# Altium PCB 测试样板PCB.PcbDoc (part 2 of 5)
Units mil, origin at the board's own origin, x right, y up, seen from the top; angles counter-clockwise.
Board outline 3248.03 x 2802.03 mil, 2 copper layers (Top Layer, Bottom Layer); 76 components, 64 nets, 349 pads, 97 vias.
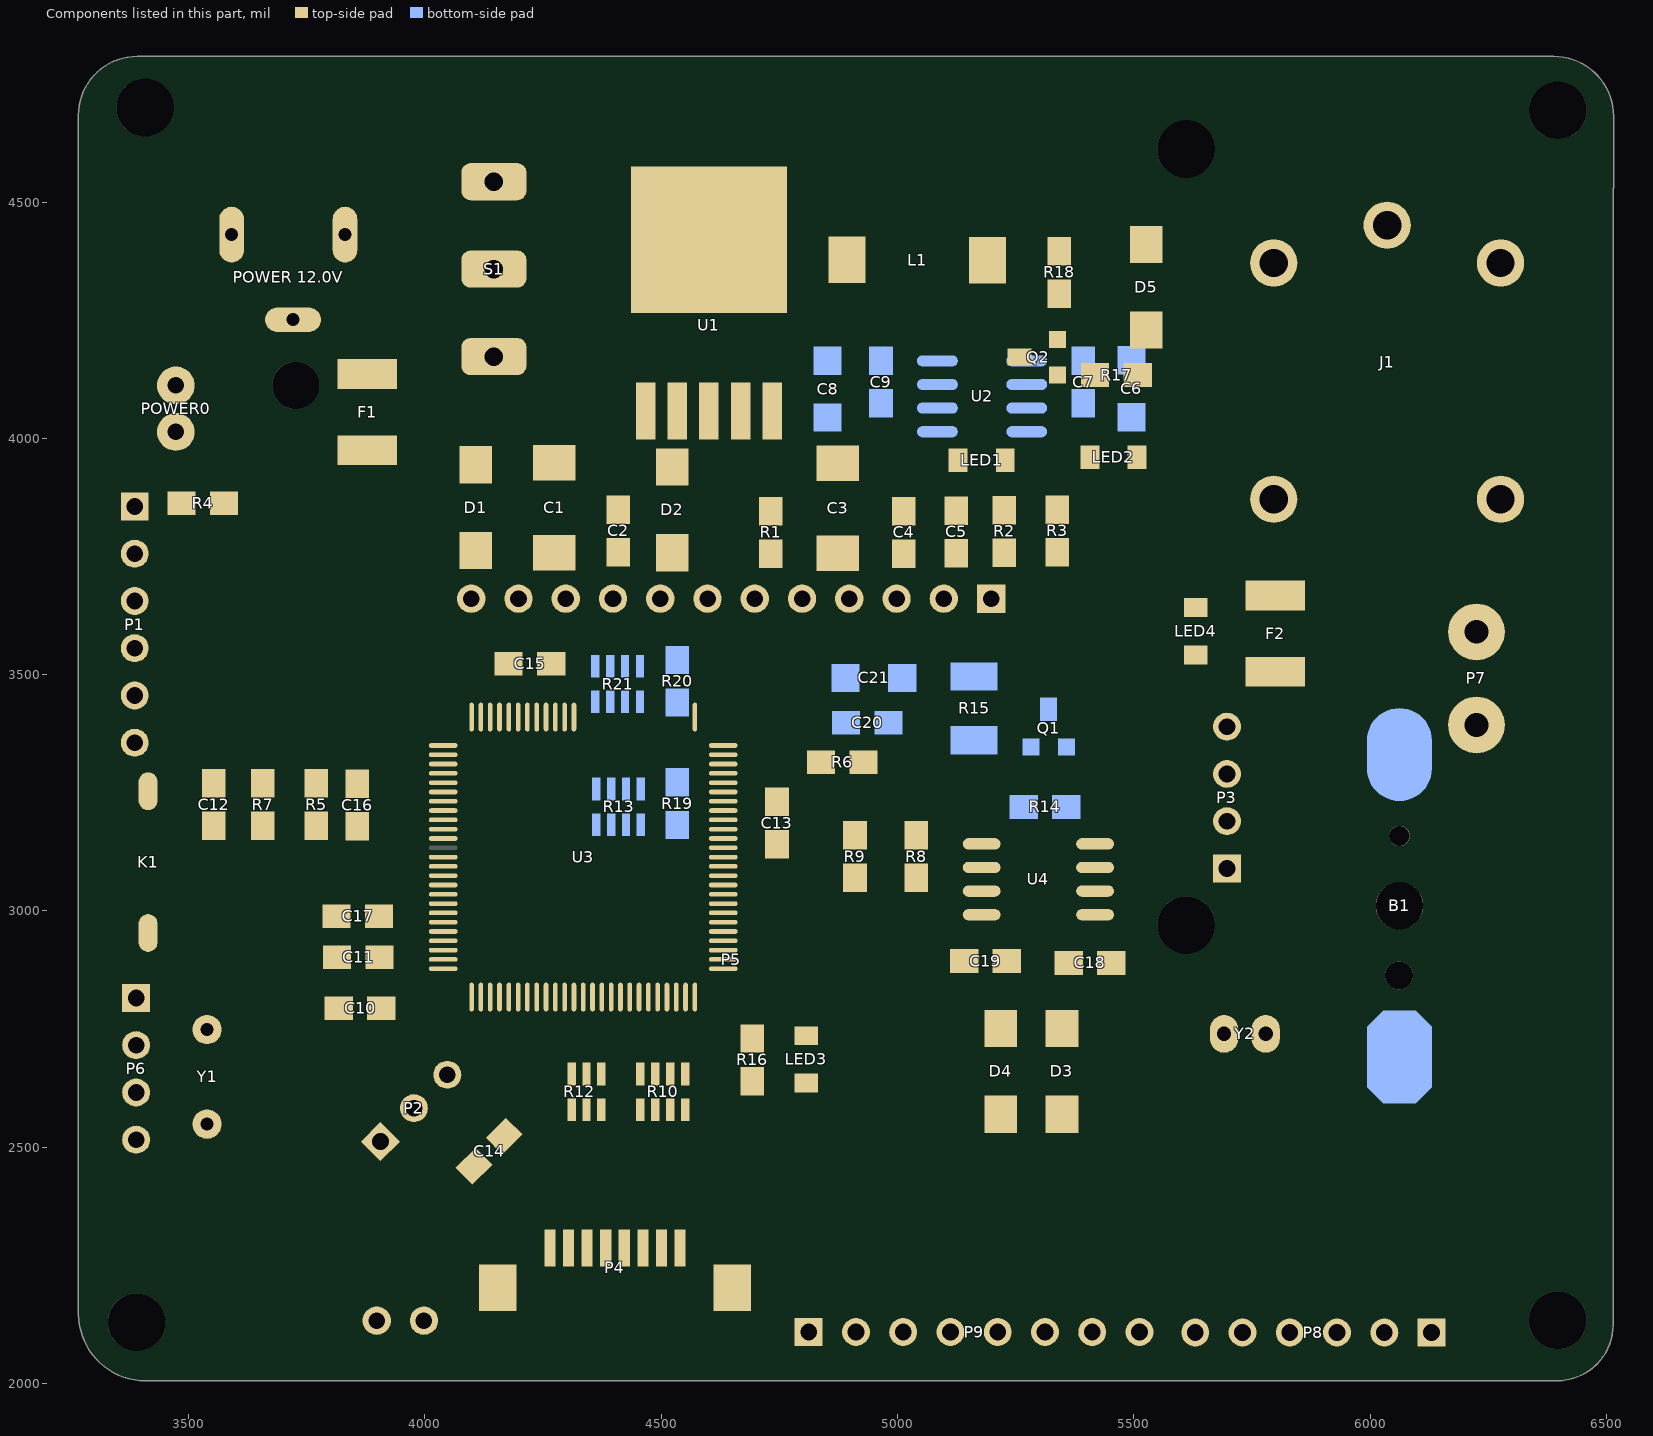
[diagram p2: the components of this part, seen from the top]

## Via types
v1: diameter 25, hole 13, Top Layer to Bottom Layer, 50 vias
v2: diameter 50, hole 28, Top Layer to Bottom Layer, 46 vias
v3: diameter 25, hole 3, Top Layer to Bottom Layer, 1 vias

## Nets (pads, with @x,y where several pads share a name; then routed paths per layer and width w, separated by ;. In a path a pad name is that pad's centre, name@x,y a point inside that pad or via, vN(x,y) a via of type N, cw(c..) or ccw(c..) an arc to the next point about the centre after c; other vN are vias at no path point) (continued)
copper on no net: (continued)
  Top Layer w0.8: 5853,2403.4 6033.8,2403.4 ; 5853.8,2404.2 6033,2404.2 ; 5854.6,2405 6032.2,2405 ; 5854.6,2405.8 6032.2,2405.8 ; 5855.4,2406.6 5859.4,2406.6 ; 5855.4,2407.4 5859.4,2407.4 ; 5856.2,2408.2 5860.2,2408.2 ; 5857,2409 5861,2409 ; 5857,2409.8 5861,2409.8 ; 5857,2673 5981,2673 ; 5857,2673.8 5981.8,2673.8 ; 5857.8,2410.6 5861.8,2410.6 ; 5857.8,2411.4 5861.8,2411.4 ; 5857.8,2671.4 5980.2,2671.4 ; 5857.8,2672.2 5975.4,2672.2 ; 5858.6,2412.2 5862.6,2412.2 ; 5858.6,2670.6 5862.6,2670.6 ; 5859.4,2413 5863.4,2413 ; 5859.4,2413.8 5863.4,2413.8 ; 5859.4,2669 5863.4,2669 ; 5859.4,2669.8 5862.6,2669.8 ; 5860.2,2414.6 5864.2,2414.6 ; 5860.2,2668.2 5863.4,2668.2 ; 5861,2415.4 5864.2,2415.4 ; 5861,2416.2 5865,2416.2 ; 5861,2666.6 5865,2666.6 ; 5861,2667.4 5864.2,2667.4 ; 5861.8,2417 5865.8,2417 ; 5861.8,2417.8 5865.8,2417.8 ; 5861.8,2665 5865.8,2665 ; 5861.8,2665.8 5865,2665.8 ; 5862.6,2418.6 5866.6,2418.6 ; 5862.6,2663.4 5866.6,2663.4 ; 5862.6,2664.2 5866.6,2664.2 ; 5863.4,2419.4 5866.6,2419.4 ; 5863.4,2420.2 5867.4,2420.2 ; 5863.4,2662.6 5867.4,2662.6 ; 5864.2,2421 5868.2,2421 ; 5864.2,2421.8 5868.2,2421.8 ; 5864.2,2661 5868.2,2661 ; 5864.2,2661.8 5867.4,2661.8 ; 5865,2422.6 5869,2422.6 ; 5865,2660.2 5869,2660.2 ; 5865.8,2423.4 5869.8,2423.4 ; 5865.8,2424.2 5869.8,2424.2 ; 5865.8,2658.6 5869.8,2658.6 ; 5865.8,2659.4 5869,2659.4 ; 5866.6,2425 5870.6,2425 ; 5866.6,2425.8 5870.6,2425.8 ; 5866.6,2657 5870.6,2657 ; 5866.6,2657.8 5869.8,2657.8 ; 5867.4,2426.6 5871.4,2426.6 ; 5867.4,2656.2 5871.4,2656.2 ; 5868.2,2427.4 5872.2,2427.4 ; 5868.2,2428.2 5872.2,2428.2 ; 5868.2,2654.6 5872.2,2654.6 ; 5868.2,2655.4 5871.4,2655.4 ; 5869,2429 5873,2429 ; 5869,2653 5873,2653 ; 5869,2653.8 5873,2653.8 ; 5869.8,2429.8 5873,2429.8 ; 5869.8,2430.6 5873.8,2430.6 ; 5869.8,2652.2 5873.8,2652.2 ; 5870.6,2431.4 5874.6,2431.4 ; 5870.6,2650.6 5874.6,2650.6 ; 5870.6,2651.4 5873.8,2651.4 ; 5871.4,2432.2 5874.6,2432.2 ; 5871.4,2433 5875.4,2433 ; 5871.4,2649.8 5875.4,2649.8 ; 5872.2,2433.8 5876.2,2433.8 ; 5872.2,2434.6 5876.2,2434.6 ; 5872.2,2648.2 5876.2,2648.2 ; 5872.2,2649 5875.4,2649 ; 5873,2435.4 5877,2435.4 ; 5873,2646.6 5877,2646.6 ; 5873,2647.4 5876.2,2647.4 ; 5873.8,2436.2 5877,2436.2 ; 5873.8,2437 5877.8,2437 ; 5873.8,2645.8 5877.8,2645.8 ; 5874.6,2437.8 5878.6,2437.8 ; 5874.6,2438.6 5878.6,2438.6 ; 5874.6,2644.2 5878.6,2644.2 ; 5874.6,2645 5877.8,2645 ; 5875.4,2439.4 5879.4,2439.4 ; 5875.4,2643.4 5878.6,2643.4 ; 5876.2,2440.2 5880.2,2440.2 ; 5876.2,2441 5880.2,2441 ; 5876.2,2641.8 5880.2,2641.8 ; 5876.2,2642.6 5879.4,2642.6 ; 5877,2441.8 5881,2441.8 ; 5877,2442.6 5881,2442.6 ; 5877,2640.2 5881,2640.2 ; 5877,2641 5880.2,2641 ; 5877.8,2443.4 5881.8,2443.4 ; 5877.8,2639.4 5881.8,2639.4 ; 5878.6,2444.2 5882.6,2444.2 ; 5878.6,2445 5882.6,2445 ; 5878.6,2637.8 5882.6,2637.8 ; 5878.6,2638.6 5881.8,2638.6 ; 5879.4,2445.8 5883.4,2445.8 ; 5879.4,2446.6 5883.4,2446.6 ; 5879.4,2636.2 5883.4,2636.2 ; 5879.4,2637 5882.6,2637 ; 5880.2,2447.4 5884.2,2447.4 ; 5880.2,2635.4 5884.2,2635.4 ; 5881,2448.2 5885,2448.2 ; 5881,2449 5885,2449 ; 5881,2633.8 5885,2633.8 ; 5881,2634.6 5884.2,2634.6 ; 5881.8,2449.8 5885.8,2449.8 ; 5881.8,2632.2 5885.8,2632.2 ; 5881.8,2633 5885.8,2633 ; 5882.6,2417 6013.8,2417 ; 5882.6,2417.8 6014.6,2417.8 ; 5882.6,2450.6 5885.8,2450.6 ; 5882.6,2451.4 5886.6,2451.4 ; 5882.6,2631.4 5886.6,2631.4 ; 5883.4,2418.6 6024.2,2418.6 ; 5883.4,2419.4 6023.4,2419.4 ; 5883.4,2452.2 5887.4,2452.2 ; 5883.4,2453 5887.4,2453 ; 5883.4,2629.8 5887.4,2629.8 ; 5883.4,2630.6 5886.6,2630.6 ; 5884.2,2420.2 5888.2,2420.2 ; 5884.2,2421 5888.2,2421 ; 5884.2,2453.8 5888.2,2453.8 ; 5884.2,2628.2 5888.2,2628.2 ; 5884.2,2629 5888.2,2629 ; 5885,2421.8 5889,2421.8 ; 5885,2454.6 5889,2454.6 ; 5885,2455.4 5889,2455.4 ; 5885,2627.4 5889,2627.4 ; 5885.8,2422.6 5889.8,2422.6 ; 5885.8,2423.4 5889.8,2423.4 ; 5885.8,2456.2 5889.8,2456.2 ; 5885.8,2457 5889.8,2457 ; 5885.8,2625.8 5889.8,2625.8 ; 5885.8,2626.6 5889,2626.6 ; 5885.8,2659.4 5973,2659.4 ; 5885.8,2660.2 5973.8,2660.2 ; 5886.6,2424.2 5890.6,2424.2 ; 5886.6,2457.8 5890.6,2457.8 ; 5886.6,2625 5890.6,2625 ; 5886.6,2658.6 5973,2658.6 ; 5887.4,2425 5891.4,2425 ; 5887.4,2425.8 5891.4,2425.8 ; 5887.4,2458.6 5891.4,2458.6 ; 5887.4,2459.4 5891.4,2459.4 ; 5887.4,2623.4 5891.4,2623.4 ; 5887.4,2624.2 5890.6,2624.2 ; 5887.4,2657 5891.4,2657 ; 5887.4,2657.8 5972.2,2657.8 ; 5888.2,2426.6 5892.2,2426.6 ; 5888.2,2427.4 5892.2,2427.4 ; 5888.2,2460.2 5892.2,2460.2 ; 5888.2,2621.8 5892.2,2621.8 ; 5888.2,2622.6 5892.2,2622.6 ; 5888.2,2655.4 5892.2,2655.4 ; 5888.2,2656.2 5891.4,2656.2 ; 5889,2428.2 5893,2428.2 ; 5889,2461 5892.2,2461 ; 5889,2461.8 5893,2461.8 ; 5889,2621 5893,2621 ; 5889,2654.6 5893,2654.6 ; 5889.8,2429 5893.8,2429 ; 5889.8,2429.8 5893.8,2429.8 ; 5889.8,2462.6 5893.8,2462.6 ; 5889.8,2619.4 5893.8,2619.4 ; 5889.8,2620.2 5893,2620.2 ; 5889.8,2653 5893.8,2653 ; 5889.8,2653.8 5893,2653.8 ; 5890.6,2430.6 5894.6,2430.6 ; 5890.6,2463.4 5893.8,2463.4 ; 5890.6,2464.2 5894.6,2464.2 ; 5890.6,2617.8 5894.6,2617.8 ; 5890.6,2618.6 5894.6,2618.6 ; 5890.6,2651.4 5894.6,2651.4 ; 5890.6,2652.2 5894.6,2652.2 ; 5891.4,2431.4 5894.6,2431.4 ; 5891.4,2432.2 5895.4,2432.2 ; 5891.4,2465 5895.4,2465 ; 5891.4,2465.8 5895.4,2465.8 ; 5891.4,2617 5895.4,2617 ; 5891.4,2650.6 5895.4,2650.6 ; 5892.2,2433 5896.2,2433 ; 5892.2,2433.8 5896.2,2433.8 ; 5892.2,2466.6 5896.2,2466.6 ; 5892.2,2467.4 5896.2,2467.4 ; 5892.2,2615.4 5896.2,2615.4 ; 5892.2,2616.2 5895.4,2616.2 ; 5892.2,2649 5896.2,2649 ; 5892.2,2649.8 5895.4,2649.8 ; 5893,2434.6 5897,2434.6 ; 5893,2468.2 5897,2468.2 ; 5893,2614.6 5897,2614.6 ; 5893,2648.2 5897,2648.2 ; 5893.8,2435.4 5897,2435.4 ; 5893.8,2436.2 5897.8,2436.2 ; 5893.8,2469 5897.8,2469 ; 5893.8,2469.8 5897.8,2469.8 ; 5893.8,2613 5897.8,2613 ; 5893.8,2613.8 5897,2613.8 ; 5893.8,2646.6 5897.8,2646.6 ; 5893.8,2647.4 5897,2647.4 ; 5894.6,2437 5898.6,2437 ; 5894.6,2437.8 5898.6,2437.8 ; 5894.6,2470.6 5898.6,2470.6 ; 5894.6,2530.6 5900.2,2530.6 ; 5894.6,2531.4 5899.4,2531.4 ; 5894.6,2532.2 5898.6,2532.2 ; 5894.6,2611.4 5898.6,2611.4 ; 5894.6,2612.2 5897.8,2612.2 ; 5894.6,2645 5898.6,2645 ; 5894.6,2645.8 5897.8,2645.8 ; 5895.4,2438.6 5899.4,2438.6 ; 5895.4,2471.4 5898.6,2471.4 ; 5895.4,2472.2 5899.4,2472.2 ; 5895.4,2529 5901,2529 ; 5895.4,2529.8 5900.2,2529.8 ; 5895.4,2533 5899.4,2533 ; 5895.4,2533.8 5899.4,2533.8 ; 5895.4,2534.6 5900.2,2534.6 ; 5895.4,2610.6 5899.4,2610.6 ; 5895.4,2644.2 5899.4,2644.2 ; 5896.2,2439.4 5899.4,2439.4 ; 5896.2,2440.2 5900.2,2440.2 ; 5896.2,2473 5900.2,2473 ; 5896.2,2527.4 5901.8,2527.4 ; 5896.2,2528.2 5901,2528.2 ; 5896.2,2535.4 5900.2,2535.4 ; 5896.2,2536.2 5901,2536.2 ; 5896.2,2609 5900.2,2609 ; 5896.2,2609.8 5899.4,2609.8 ; 5896.2,2642.6 5900.2,2642.6 ; 5896.2,2643.4 5899.4,2643.4 ; 5897,2441 5901,2441 ; 5897,2473.8 5900.2,2473.8 ; 5897,2474.6 5901,2474.6 ; 5897,2526.6 5901.8,2526.6 ; 5897,2537 5901,2537 ; 5897,2537.8 5901.8,2537.8 ; 5897,2607.4 5901,2607.4 ; 5897,2608.2 5901,2608.2 ; 5897,2641 5901,2641 ; 5897,2641.8 5900.2,2641.8 ; 5897.8,2441.8 5901,2441.8 ; 5897.8,2442.6 5901.8,2442.6 ; 5897.8,2475.4 5901,2475.4 ; 5897.8,2476.2 5901.8,2476.2 ; 5897.8,2525 5903.4,2525 ; 5897.8,2525.8 5902.6,2525.8 ; 5897.8,2538.6 5902.6,2538.6 ; 5897.8,2539.4 5902.6,2539.4 ; 5897.8,2606.6 5901.8,2606.6 ; 5897.8,2640.2 5901.8,2640.2 ; 5898.6,2443.4 5902.6,2443.4 ; 5898.6,2444.2 5902.6,2444.2 ; 5898.6,2477 5902.6,2477 ; 5898.6,2523.4 5904.2,2523.4 ; 5898.6,2524.2 5903.4,2524.2 ; 5898.6,2540.2 5903.4,2540.2 ; 5898.6,2541 5903.4,2541 ; 5898.6,2605 5902.6,2605 ; 5898.6,2605.8 5901.8,2605.8 ; 5898.6,2638.6 5902.6,2638.6 ; 5898.6,2639.4 5901.8,2639.4 ; 5899.4,2445 5903.4,2445 ; 5899.4,2477.8 5902.6,2477.8 ; 5899.4,2478.6 5903.4,2478.6 ; 5899.4,2521.8 5905,2521.8 ; 5899.4,2522.6 5904.2,2522.6 ; 5899.4,2541.8 5904.2,2541.8 ; 5899.4,2604.2 5903.4,2604.2 ; 5899.4,2637.8 5902.6,2637.8 ; 5900.2,2445.8 5903.4,2445.8 ; 5900.2,2446.6 5904.2,2446.6 ; 5900.2,2479.4 5904.2,2479.4 ; 5900.2,2480.2 5904.2,2480.2 ; 5900.2,2521 5905.8,2521 ; 5900.2,2542.6 5904.2,2542.6 ; 5900.2,2543.4 5905,2543.4 ; 5900.2,2602.6 5904.2,2602.6 ; 5900.2,2603.4 5903.4,2603.4 ; 5900.2,2636.2 5904.2,2636.2 ; 5900.2,2637 5903.4,2637 ; 5901,2447.4 5905,2447.4 ; 5901,2448.2 5905,2448.2 ; 5901,2481 5905,2481 ; 5901,2519.4 5906.6,2519.4 ; 5901,2520.2 5905.8,2520.2 ; 5901,2544.2 5905,2544.2 ; 5901,2545 5905.8,2545 ; 5901,2601 5905,2601 ; 5901,2601.8 5904.2,2601.8 ; 5901,2634.6 5905,2634.6 ; 5901,2635.4 5904.2,2635.4 ; 5901.8,2449 5905.8,2449 ; 5901.8,2481.8 5905,2481.8 ; 5901.8,2482.6 5905.8,2482.6 ; 5901.8,2517.8 5907.4,2517.8 ; 5901.8,2518.6 5906.6,2518.6 ; 5901.8,2545.8 5905.8,2545.8 ; 5901.8,2546.6 5906.6,2546.6 ; 5901.8,2600.2 5905.8,2600.2 ; 5901.8,2633.8 5905.8,2633.8 ; 5902.6,2449.8 5906.6,2449.8 ; 5902.6,2450.6 5906.6,2450.6 ; 5902.6,2483.4 5906.6,2483.4 ; 5902.6,2484.2 5906.6,2484.2 ; 5902.6,2516.2 5907.4,2516.2 ; 5902.6,2517 5908.2,2517 ; 5902.6,2547.4 5906.6,2547.4 ; 5902.6,2548.2 5907.4,2548.2 ; 5902.6,2598.6 5906.6,2598.6 ; 5902.6,2599.4 5905.8,2599.4 ; 5902.6,2632.2 5906.6,2632.2 ; 5902.6,2633 5905.8,2633 ; 5903.4,2451.4 5907.4,2451.4 ; 5903.4,2485 5907.4,2485 ; 5903.4,2515.4 5908.2,2515.4 ; 5903.4,2549 5907.4,2549 ; 5903.4,2549.8 5908.2,2549.8 ; 5903.4,2597.8 5907.4,2597.8 ; 5903.4,2630.6 5907.4,2630.6 ; 5903.4,2631.4 5907.4,2631.4 ; 5904.2,2452.2 5907.4,2452.2 ; 5904.2,2453 5908.2,2453 ; 5904.2,2485.8 5908.2,2485.8 ; 5904.2,2486.6 5908.2,2486.6 ; 5904.2,2513.8 5909.8,2513.8 ; 5904.2,2514.6 5909,2514.6 ; 5904.2,2550.6 5908.2,2550.6 ; 5904.2,2551.4 5909,2551.4 ; 5904.2,2596.2 5908.2,2596.2 ; 5904.2,2597 5907.4,2597 ; 5904.2,2629.8 5908.2,2629.8 ; 5905,2453.8 5909,2453.8 ; 5905,2487.4 5909,2487.4 ; 5905,2488.2 5909,2488.2 ; 5905,2512.2 5909.8,2512.2 ; 5905,2513 5909.8,2513 ; 5905,2552.2 5909.8,2552.2 ; 5905,2553 5909.8,2553 ; 5905,2594.6 5909,2594.6 ; 5905,2595.4 5908.2,2595.4 ; 5905,2628.2 5909,2628.2 ; 5905,2629 5908.2,2629 ; 5905.8,2454.6 5909,2454.6 ; 5905.8,2455.4 5909.8,2455.4 ; 5905.8,2489 5909.8,2489 ; 5905.8,2510.6 5911.4,2510.6 ; 5905.8,2511.4 5910.6,2511.4 ; 5905.8,2553.8 5910.6,2553.8 ; 5905.8,2554.6 5910.6,2554.6 ; 5905.8,2593.8 5909.8,2593.8 ; 5905.8,2627.4 5909.8,2627.4 ; 5906.6,2456.2 5910.6,2456.2 ; 5906.6,2457 5910.6,2457 ; 5906.6,2489.8 5909.8,2489.8 ; 5906.6,2490.6 5910.6,2490.6 ; 5906.6,2509 5912.2,2509 ; 5906.6,2509.8 5911.4,2509.8 ; 5906.6,2555.4 5911.4,2555.4 ; 5906.6,2592.2 5910.6,2592.2 ; 5906.6,2593 5909.8,2593 ; 5906.6,2625.8 5910.6,2625.8 ; 5906.6,2626.6 5909.8,2626.6 ; 5907.4,2457.8 5911.4,2457.8 ; 5907.4,2491.4 5911.4,2491.4 ; 5907.4,2508.2 5913,2508.2 ; 5907.4,2556.2 5911.4,2556.2 ; 5907.4,2557 5912.2,2557 ; 5907.4,2590.6 5911.4,2590.6 ; 5907.4,2591.4 5910.6,2591.4 ; 5907.4,2624.2 5911.4,2624.2 ; 5907.4,2625 5910.6,2625 ; 5908.2,2458.6 5911.4,2458.6 ; 5908.2,2459.4 5912.2,2459.4 ; 5908.2,2492.2 5911.4,2492.2 ; 5908.2,2493 5912.2,2493 ; 5908.2,2506.6 5913.8,2506.6 ; 5908.2,2507.4 5913,2507.4 ; 5908.2,2557.8 5912.2,2557.8 ; 5908.2,2558.6 5913,2558.6 ; 5908.2,2589.8 5912.2,2589.8 ; 5908.2,2623.4 5912.2,2623.4 ; 5909,2460.2 5913,2460.2 ; 5909,2461 5913,2461 ; 5909,2493.8 5913,2493.8 ; 5909,2494.6 5913,2494.6 ; 5909,2505 5914.6,2505 ; 5909,2505.8 5913.8,2505.8 ; 5909,2559.4 5913,2559.4 ; 5909,2560.2 5913.8,2560.2 ; 5909,2588.2 5913,2588.2 ; 5909,2589 5912.2,2589 ; 5909,2621.8 5913,2621.8 ; 5909,2622.6 5912.2,2622.6 ; 5909.8,2461.8 5913.8,2461.8 ; 5909.8,2495.4 5913.8,2495.4 ; 5909.8,2503.4 5915.4,2503.4 ; 5909.8,2504.2 5914.6,2504.2 ; 5909.8,2561 5913.8,2561 ; 5909.8,2561.8 5914.6,2561.8 ; 5909.8,2587.4 5913.8,2587.4 ; 5909.8,2620.2 5913.8,2620.2 ; 5909.8,2621 5913,2621 ; 5910.6,2462.6 5913.8,2462.6 ; 5910.6,2463.4 5914.6,2463.4 ; 5910.6,2496.2 5919.4,2496.2 ; 5910.6,2497 5919.4,2497 ; 5910.6,2502.6 5916.2,2502.6 ; 5910.6,2562.6 5915.4,2562.6 ; 5910.6,2563.4 5915.4,2563.4 ; 5910.6,2585.8 5914.6,2585.8 ; 5910.6,2586.6 5913.8,2586.6 ; 5910.6,2619.4 5914.6,2619.4 ; 5911.4,2464.2 5915.4,2464.2 ; 5911.4,2465 5915.4,2465 ; 5911.4,2497.8 5918.6,2497.8 ; 5911.4,2498.6 5918.6,2498.6 ; 5911.4,2501 5917,2501 ; 5911.4,2501.8 5916.2,2501.8 ; 5911.4,2564.2 5916.2,2564.2 ; 5911.4,2565 5916.2,2565 ; 5911.4,2584.2 5915.4,2584.2 ; 5911.4,2585 5914.6,2585 ; 5911.4,2617.8 5915.4,2617.8 ; 5911.4,2618.6 5914.6,2618.6 ; 5912.2,2465.8 5916.2,2465.8 ; 5912.2,2499.4 5917.8,2499.4 ; 5912.2,2500.2 5917.8,2500.2 ; 5912.2,2565.8 5917,2565.8 ; 5912.2,2566.6 5917,2566.6 ; 5912.2,2583.4 5916.2,2583.4 ; 5912.2,2616.2 5916.2,2616.2 ; 5912.2,2617 5916.2,2617 ; 5913,2466.6 5916.2,2466.6 ; 5913,2467.4 5917,2467.4 ; 5913,2567.4 5917.8,2567.4 ; 5913,2568.2 5918.6,2568.2 ; 5913,2581.8 5917,2581.8 ; 5913,2582.6 5916.2,2582.6 ; 5913,2615.4 5917,2615.4 ; 5913.8,2468.2 5917.8,2468.2 ; 5913.8,2569 5918.6,2569 ; 5913.8,2581 5917.8,2581 ; 5913.8,2613.8 5917.8,2613.8 ; 5913.8,2614.6 5917,2614.6 ; 5914.6,2469 5917.8,2469 ; 5914.6,2469.8 5918.6,2469.8 ; 5914.6,2495.4 5920.2,2495.4 ; 5914.6,2569.8 5919.4,2569.8 ; 5914.6,2570.6 5919.4,2570.6 ; 5914.6,2579.4 5918.6,2579.4 ; 5914.6,2580.2 5917.8,2580.2 ; 5914.6,2613 5918.6,2613 ; 5915.4,2470.6 5919.4,2470.6 ; 5915.4,2471.4 5919.4,2471.4 ; 5915.4,2493.8 5920.2,2493.8 ; 5915.4,2494.6 5920.2,2494.6 ; 5915.4,2571.4 5923.4,2571.4 ; 5915.4,2572.2 5922.6,2572.2 ; 5915.4,2577.8 5919.4,2577.8 ; 5915.4,2578.6 5918.6,2578.6 ; 5915.4,2611.4 5919.4,2611.4 ; 5915.4,2612.2 5918.6,2612.2 ; 5916.2,2472.2 5920.2,2472.2 ; 5916.2,2492.2 5921.8,2492.2 ; 5916.2,2493 5920.2,2493 ; 5916.2,2573 5922.6,2573 ; 5916.2,2573.8 5921.8,2573.8 ; 5916.2,2577 5920.2,2577 ; 5916.2,2610.6 5919.4,2610.6 ; 5917,2473 5920.2,2473 ; 5917,2473.8 5921,2473.8 ; 5917,2490.6 5922.6,2490.6 ; 5917,2491.4 5922.6,2491.4 ; 5917,2574.6 5921,2574.6 ; 5917,2575.4 5921,2575.4 ; 5917,2576.2 5920.2,2576.2 ; 5917,2609 5921,2609 ; 5917,2609.8 5920.2,2609.8 ; 5917.8,2474.6 5921.8,2474.6 ; 5917.8,2475.4 5921.8,2475.4 ; 5917.8,2489.8 5923.4,2489.8 ; 5917.8,2607.4 5921.8,2607.4 ; 5917.8,2608.2 5921,2608.2 ; 5918.6,2476.2 5922.6,2476.2 ; 5918.6,2488.2 5924.2,2488.2 ; 5918.6,2489 5924.2,2489 ; 5918.6,2532.2 5924.2,2532.2 ; 5918.6,2533 5924.2,2533 ; 5918.6,2533.8 5923.4,2533.8 ; 5918.6,2606.6 5921.8,2606.6 ; 5919.4,2477 5922.6,2477 ; 5919.4,2477.8 5923.4,2477.8 ; 5919.4,2486.6 5925,2486.6 ; 5919.4,2487.4 5925,2487.4 ; 5919.4,2531.4 5925,2531.4 ; 5919.4,2534.6 5924.2,2534.6 ; 5919.4,2605 5923.4,2605 ; 5919.4,2605.8 5922.6,2605.8 ; 5920.2,2478.6 5929.8,2478.6 ; 5920.2,2479.4 5929,2479.4 ; 5920.2,2485 5926.6,2485 ; 5920.2,2485.8 5925,2485.8 ; 5920.2,2535.4 5925,2535.4 ; 5920.2,2536.2 5925,2536.2 ; 5920.2,2569.8 5924.2,2569.8 ; 5920.2,2570.6 5924.2,2570.6 ; 5920.2,2603.4 5924.2,2603.4 ; 5920.2,2604.2 5923.4,2604.2 ; 5921,2480.2 5929,2480.2 ; 5921,2483.4 5927.4,2483.4 ; 5921,2484.2 5927.4,2484.2 ; 5921,2493 5921.8,2493 ; 5921,2529.8 5925.8,2529.8 ; 5921,2530.6 5925,2530.6 ; 5921,2537 5925.8,2537 ; 5921,2537.8 5926.6,2537.8 ; 5921,2569 5925,2569 ; 5921,2602.6 5925,2602.6 ; 5921.8,2481 5928.2,2481 ; 5921.8,2481.8 5928.2,2481.8 ; 5921.8,2482.6 5927.4,2482.6 ; 5921.8,2528.2 5926.6,2528.2 ; 5921.8,2529 5926.6,2529 ; 5921.8,2538.6 5926.6,2538.6 ; 5921.8,2567.4 5925.8,2567.4 ; 5921.8,2568.2 5925,2568.2 ; 5921.8,2601 5925.8,2601 ; 5921.8,2601.8 5925,2601.8 ; 5922.6,2526.6 5927.4,2526.6 ; 5922.6,2527.4 5927.4,2527.4 ; 5922.6,2539.4 5927.4,2539.4 ; 5922.6,2540.2 5928.2,2540.2 ; 5922.6,2565.8 5926.6,2565.8 ; 5922.6,2566.6 5926.6,2566.6 ; 5922.6,2600.2 5926.6,2600.2 ; 5923.4,2525 5928.2,2525 ; 5923.4,2525.8 5928.2,2525.8 ; 5923.4,2541 5929,2541 ; 5923.4,2565 5927.4,2565 ; 5923.4,2598.6 5927.4,2598.6 ; 5923.4,2599.4 5926.6,2599.4 ; 5924.2,2477.8 5929.8,2477.8 ; 5924.2,2523.4 5929.8,2523.4 ; 5924.2,2524.2 5929,2524.2 ; 5924.2,2541.8 5929,2541.8 ; 5924.2,2542.6 5929.8,2542.6 ; 5924.2,2543.4 5930.6,2543.4 ; 5924.2,2563.4 5928.2,2563.4 ; 5924.2,2564.2 5927.4,2564.2 ; 5924.2,2597 5928.2,2597 ; 5924.2,2597.8 5927.4,2597.8 ; 5925,2477 5930.6,2477 ; 5925,2522.6 5929.8,2522.6 ; 5925,2544.2 5930.6,2544.2 ; 5925,2562.6 5929,2562.6 ; 5925,2595.4 5929,2595.4 ; 5925,2596.2 5929,2596.2 ; 5925.8,2475.4 5931.4,2475.4 ; 5925.8,2476.2 5931.4,2476.2 ; 5925.8,2521 5930.6,2521 ; 5925.8,2521.8 5930.6,2521.8 ; 5925.8,2545 5931.4,2545 ; 5925.8,2545.8 5932.2,2545.8 ; 5925.8,2561 5929.8,2561 ; 5925.8,2561.8 5929,2561.8 ; 5925.8,2594.6 5929.8,2594.6 ; 5926.6,2473.8 5933,2473.8 ; 5926.6,2474.6 5932.2,2474.6 ; 5926.6,2519.4 5931.4,2519.4 ; 5926.6,2520.2 5931.4,2520.2 ; 5926.6,2546.6 5932.2,2546.6 ; 5926.6,2547.4 5933,2547.4 ; 5926.6,2560.2 5930.6,2560.2 ; 5926.6,2593 5934.6,2593 ; 5926.6,2593.8 5934.6,2593.8 ; 5927.4,2472.2 5933.8,2472.2 ; 5927.4,2473 5932.2,2473 ; 5927.4,2518.6 5937,2518.6 ; 5927.4,2548.2 5928.2,2548.2 ; 5927.4,2558.6 5931.4,2558.6 ; 5927.4,2559.4 5930.6,2559.4 ; 5927.4,2592.2 5933.8,2592.2 ; 5928.2,2470.6 5934.6,2470.6 ; 5928.2,2471.4 5933.8,2471.4 ; 5928.2,2517 5936.2,2517 ; 5928.2,2517.8 5936.2,2517.8 ; 5928.2,2549 5937,2549 ; 5928.2,2549.8 5936.2,2549.8 ; 5928.2,2557 5932.2,2557 ; 5928.2,2557.8 5931.4,2557.8 ; 5928.2,2590.6 5933,2590.6 ; 5928.2,2591.4 5933,2591.4 ; 5929,2469.8 5934.6,2469.8 ; 5929,2515.4 5935.4,2515.4 ; 5929,2516.2 5935.4,2516.2 ; 5929,2548.2 5937.8,2548.2 ; 5929,2550.6 5936.2,2550.6 ; 5929,2551.4 5930.6,2551.4 ; 5929,2555.4 5933,2555.4 ; 5929,2556.2 5933,2556.2 ; 5929,2589 5933,2589 ; 5929,2589.8 5933,2589.8 ; 5929.8,2468.2 5934.6,2468.2 ; 5929.8,2469 5935.4,2469 ; 5929.8,2513 5935.4,2513 ; 5929.8,2513.8 5934.6,2513.8 ; 5929.8,2514.6 5934.6,2514.6 ; 5929.8,2552.2 5935.4,2552.2 ; 5929.8,2553 5934.6,2553 ; 5929.8,2553.8 5933.8,2553.8 ; 5929.8,2554.6 5933.8,2554.6 ; 5929.8,2588.2 5933.8,2588.2 ; 5930.6,2466.6 5935.4,2466.6 ; 5930.6,2467.4 5934.6,2467.4 ; 5930.6,2512.2 5935.4,2512.2 ; 5930.6,2586.6 5934.6,2586.6 ; 5930.6,2587.4 5933.8,2587.4 ; 5930.6,2594.6 5935.4,2594.6 ; 5931.4,2465 5937.8,2465 ; 5931.4,2465.8 5937,2465.8 ; 5931.4,2511.4 5936.2,2511.4 ; 5931.4,2551.4 5935.4,2551.4 ; 5931.4,2585 5935.4,2585 ; 5931.4,2585.8 5935.4,2585.8 ; 5931.4,2595.4 5935.4,2595.4 ; 5931.4,2596.2 5936.2,2596.2 ; 5932.2,2464.2 5937.8,2464.2 ; 5932.2,2509.8 5937,2509.8 ; 5932.2,2510.6 5936.2,2510.6 ; 5932.2,2584.2 5936.2,2584.2 ; 5932.2,2597 5937,2597 ; 5932.2,2597.8 5937,2597.8 ; 5933,2462.6 5939.4,2462.6 ; 5933,2463.4 5938.6,2463.4 ; 5933,2508.2 5937.8,2508.2 ; 5933,2509 5937.8,2509 ; 5933,2519.4 5937,2519.4 ; 5933,2520.2 5937.8,2520.2 ; 5933,2582.6 5937,2582.6 ; 5933,2583.4 5936.2,2583.4 ; 5933,2598.6 5937.8,2598.6 ; 5933,2599.4 5937.8,2599.4 ; 5933.8,2461 5938.6,2461 ; 5933.8,2461.8 5938.6,2461.8 ; 5933.8,2507.4 5938.6,2507.4 ; 5933.8,2521 5938.6,2521 ; 5933.8,2521.8 5938.6,2521.8 ; 5933.8,2581.8 5937.8,2581.8 ; 5933.8,2600.2 5938.6,2600.2 ; 5933.8,2601 5938.6,2601 ; 5934.6,2459.4 5941,2459.4 ; 5934.6,2460.2 5940.2,2460.2 ; 5934.6,2505.8 5939.4,2505.8 ; 5934.6,2506.6 5938.6,2506.6 ; 5934.6,2522.6 5939.4,2522.6 ; 5934.6,2546.6 5938.6,2546.6 ; 5934.6,2547.4 5937.8,2547.4 ; 5934.6,2580.2 5938.6,2580.2 ; 5934.6,2581 5937.8,2581 ; 5934.6,2601.8 5939.4,2601.8 ; 5935.4,2458.6 5941,2458.6 ; 5935.4,2467.4 5936.2,2467.4 ; 5935.4,2504.2 5945,2504.2 ; 5935.4,2505 5939.4,2505 ; 5935.4,2523.4 5939.4,2523.4 ; 5935.4,2524.2 5940.2,2524.2 ; 5935.4,2543.4 5941,2543.4 ; 5935.4,2544.2 5940.2,2544.2 ; 5935.4,2545 5939.4,2545 ; 5935.4,2545.8 5939.4,2545.8 ; 5935.4,2578.6 5939.4,2578.6 ; 5935.4,2579.4 5938.6,2579.4 ; 5935.4,2602.6 5940.2,2602.6 ; 5935.4,2603.4 5940.2,2603.4 ; 5936.2,2457 5942.6,2457 ; 5936.2,2457.8 5941.8,2457.8 ; 5936.2,2466.6 5937,2466.6 ; 5936.2,2502.6 5944.2,2502.6 ; 5936.2,2503.4 5944.2,2503.4 ; 5936.2,2525 5940.2,2525 ; 5936.2,2525.8 5941,2525.8 ; 5936.2,2542.6 5941,2542.6 ; 5936.2,2577.8 5940.2,2577.8 ; 5936.2,2604.2 5941,2604.2 ; 5937,2455.4 5943.4,2455.4 ; 5937,2456.2 5941,2456.2 ; 5937,2497 5944.2,2497 ; 5937,2497.8 5943.4,2497.8 ; 5937,2498.6 5943.4,2498.6 ; 5937,2501 5943.4,2501 ; 5937,2501.8 5943.4,2501.8 ; 5937,2526.6 5941,2526.6 ; 5937,2527.4 5941.8,2527.4 ; 5937,2541.8 5941.8,2541.8 ; 5937,2576.2 5941,2576.2 ; 5937,2577 5940.2,2577 ; 5937,2605 5941,2605 ; 5937,2605.8 5941.8,2605.8 ; 5937.8,2453.8 5944.2,2453.8 ; 5937.8,2454.6 